# Altium PCB Graviton-EC2.PcbDoc (part 5 of 12) (continued)
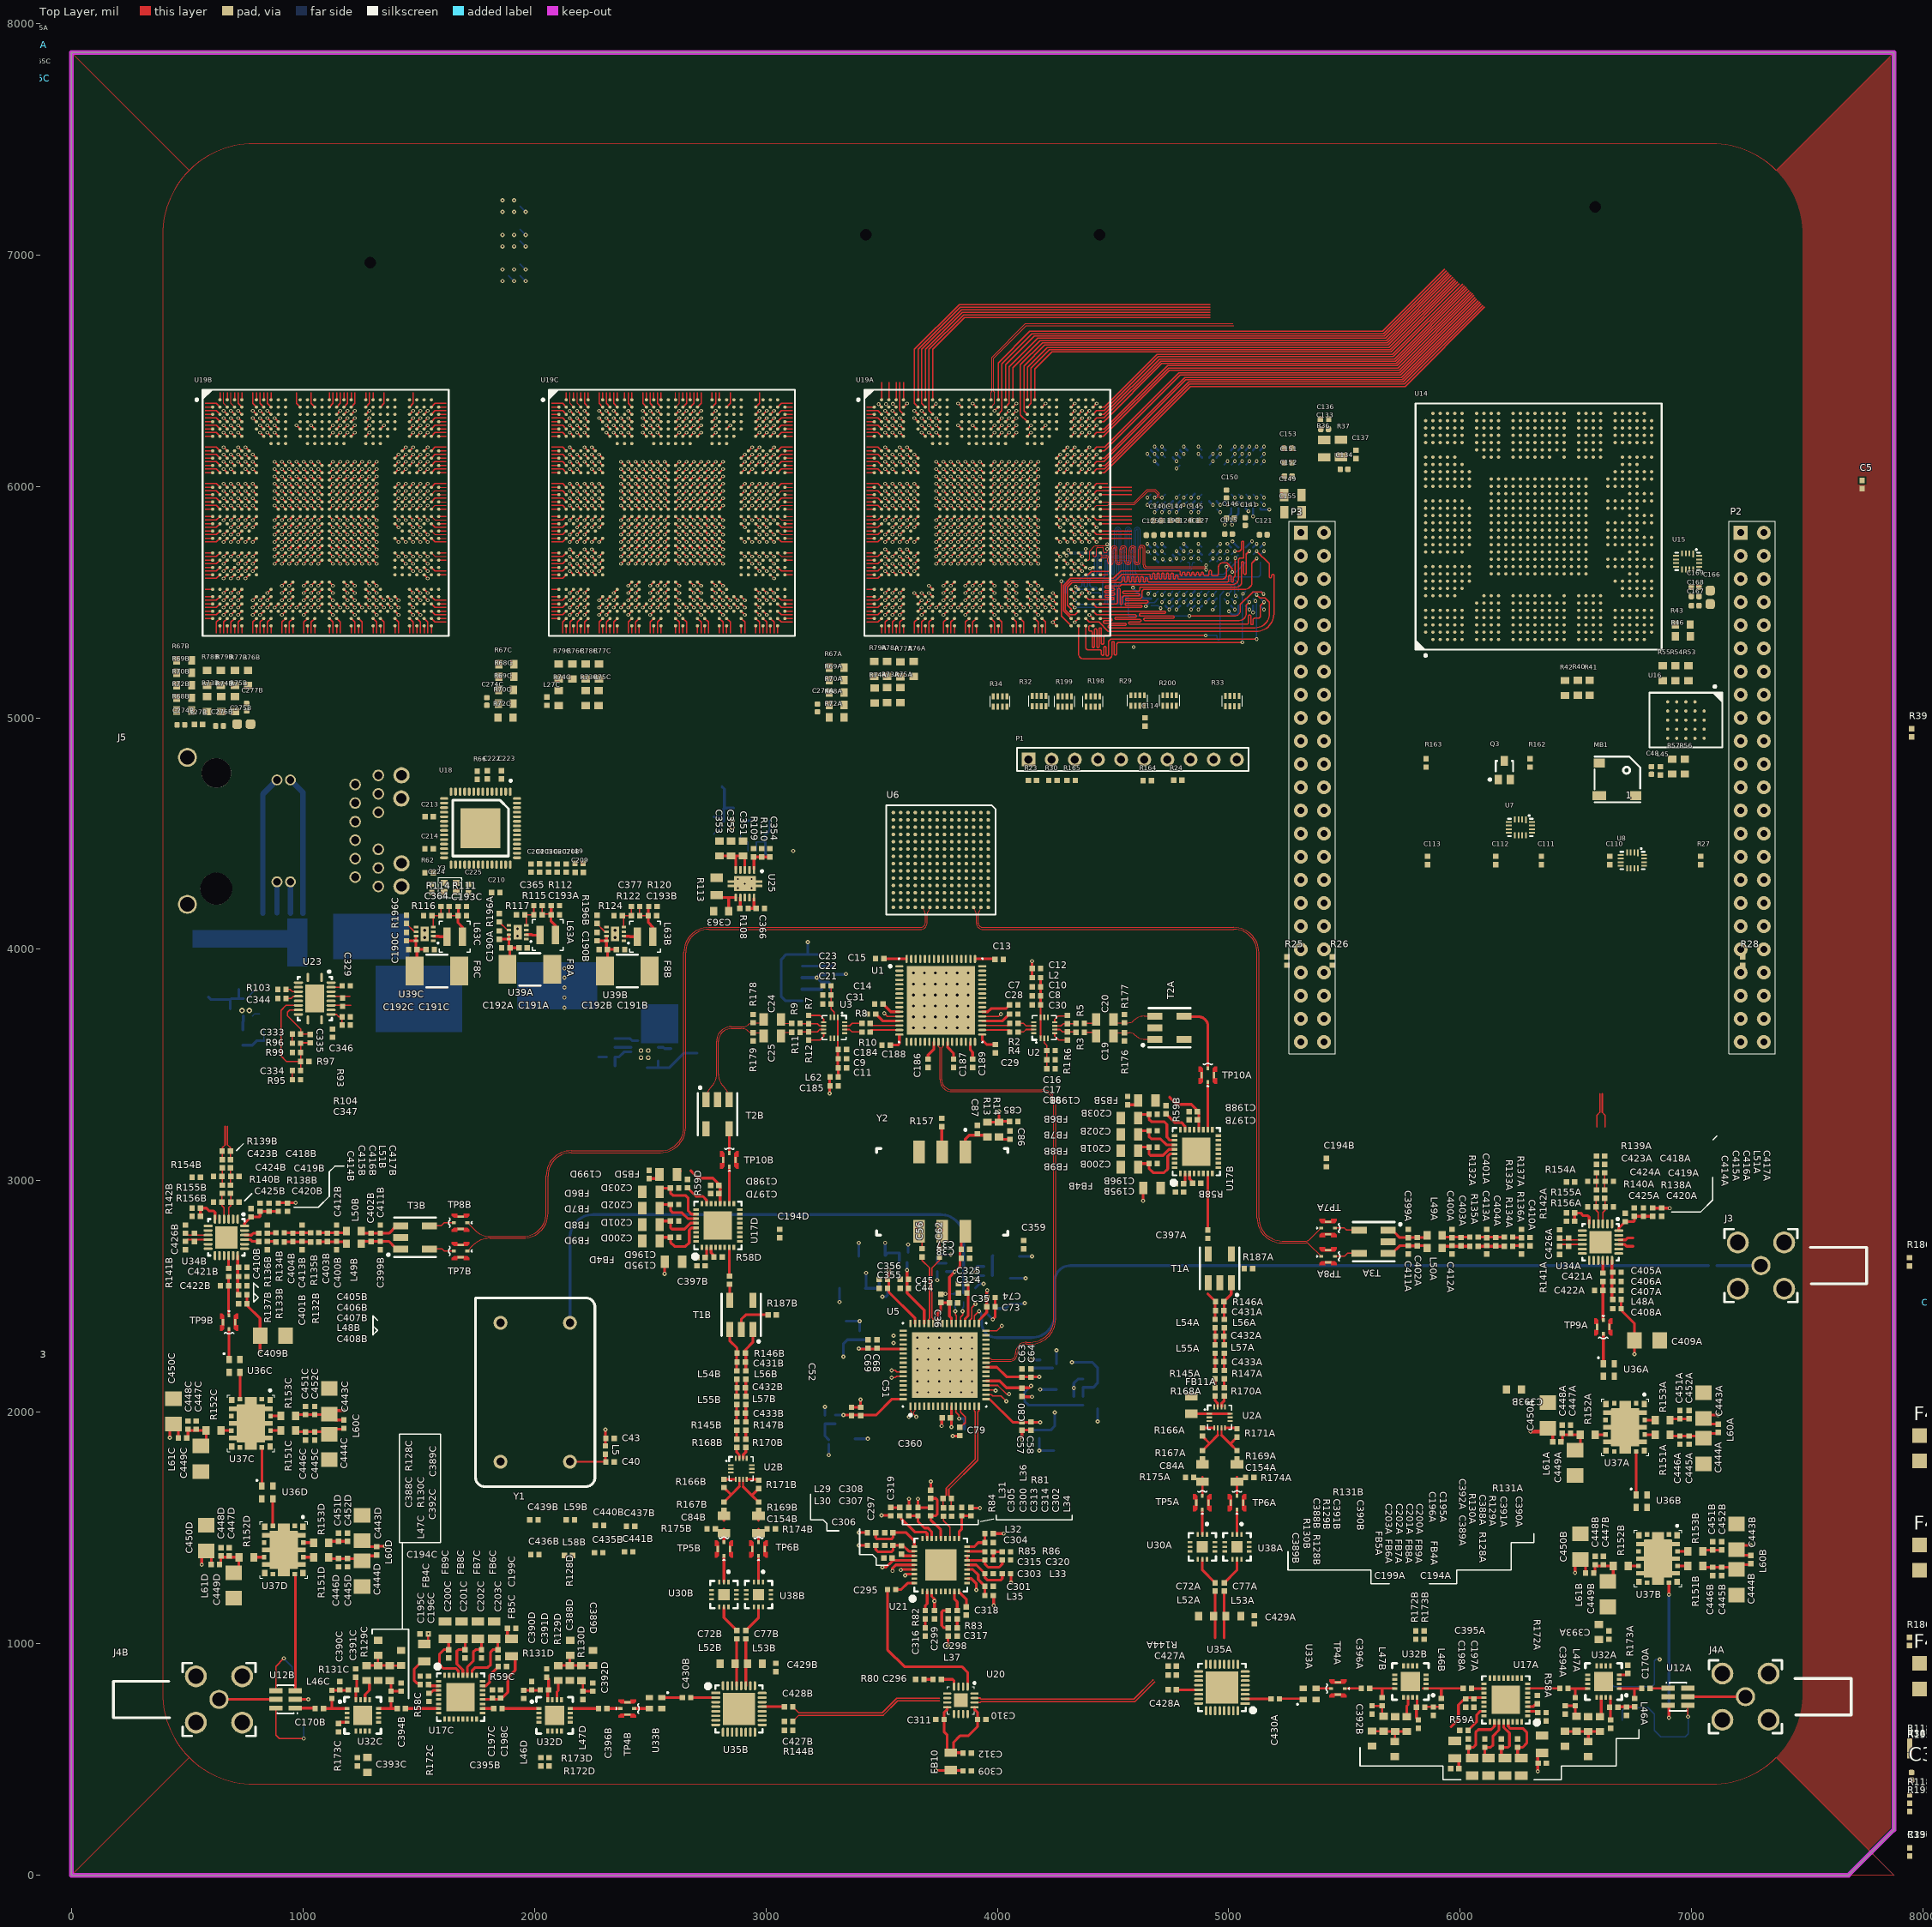
[diagram p0: Top Layer view]
## Nets (pads, with @x,y where several pads share a name; then routed paths per layer and width w, separated by ;. In a path a pad name is that pad's centre, name@x,y a point inside that pad or via, vN(x,y) a via of type N, cw(c..) or ccw(c..) an arc to the next point about the centre after c; other vN are vias at no path point) (continued)
  Top Layer w5: U19A.V26@4255.91,5838.58 v1(4271.65,5822.83)
  other v2: 4963,5751.75 4963,6171.75
BANK3-DDRCTRL.RASN: R29.4 U9.J3 U10.J3 U19A.Y30 | length 22.3
  Top Layer w5: U19A.Y30@4381.89,5775.59 v1(4397.64,5759.84)
  other v2: 4931.5,5688.75 4931.5,6108.75
BANK3-DDRCTRL.RSTN: R31.2 U9.T2 U10.T2 U19A.T29 | length 22.3
  Top Layer w5: U19A.T29@4350.39,5901.57 v1(4366.14,5917.32)
  other v2: 5152,5720.25 5152,6140.25
BANK3-DDRCTRL.WEN: R32.2 U9.L3 U10.L3 U19A.AE31
  other v2: 4994.5,5688.75 4994.5,6108.75
BANK3-DQS32.DQM0: U10.E7 U19A.T32 | length 135.1
  Top Layer w4.72: U19A.T32@4444.88,5901.57 4580,5901.57
  other v2: 4774,5951.25
BANK3-DQS32.DQM1: U10.D3 U19A.U32 | length 135.1
  Top Layer w4.72: U19A.U32@4444.88,5870.08 4580,5870.08
BANK3-DQS32.DQM2: U9.E7 U19A.V32 | length 135.1
  Top Layer w4.72: U19A.V32@4444.88,5838.58 4580,5838.58
  other v2: 4774,5531.25
BANK3-DQS32.DQM3: U9.D3 U19A.W32 | length 152.1
  Top Layer w4.72: U19A.W32@4444.88,5807.09 4580,5807.09
  Bottom Layer w4.75: v2(4746.25,5685) U9.D3@4758.25,5673
BANK3-DQS32.DQS0_N: U10.G3 U19A.T28 | length 22.3
  Top Layer w2.99: U19A.T28@4318.9,5901.57 v1(4334.65,5917.32)
BANK3-DQS32.DQS0_P: U10.F3 U19A.R29 | length 22.3
  Top Layer w2.99: U19A.R29@4350.39,5933.07 v1(4366.14,5948.82)
BANK3-DQS32.DQS1_N: U10.B7 U19A.T31 | length 340.8
  Top Layer w2.99: U19A.T31@4413.39,5901.57 4429.13,5917.32 4476.97,5917.32 4480.85,5921.2 4592.5,5921.2 4650.65,5979.35 4678.35,5979.35 4691.25,5966.44 4691.25,5954 4688.5,5951.25 4679.5,5951.25
BANK3-DQS32.DQS1_P: U10.C7 U19A.R32 | length 316
  Top Layer w2.99: U19A.R32@4444.88,5933.07 4476.97,5933.07 4480.85,5929.19 4589.19,5929.19 4645,5985 4647.34,5987.34 4681.66,5987.34 4699.25,5969.75 4699.25,5954 4702,5951.25 4711,5951.25
BANK3-DQS32.DQS2_N: U9.G3 U19A.AB27 | length 1243.8
  Top Layer w2.99: U19A.AB27@4287.4,5712.6 v1(4299,5701)
  Bottom Layer w2.99: v1(4299,5701) cw(c4307.01,5701) 4307.01,5709.01 4493,5709.01 ccw(c4493,5731.01) 4515,5731.01 4515,5810 cw(c4520,5810) 4520,5815 cw(c4520,5807.99) 4527.01,5807.99 4527.01,5730 ccw(c4545,5730) 4545,5712.01 ccw(c4545,5727.01) 4560,5727.01 4560,5810 ; 4560,5810.99 4560,5810 ; U9.G3@4852.75,5673 cw(c4849.14,5676.61) 4849.14,5671.5 ccw(c4849.14,5663.36) 4841,5663.36 4841,5649 cw(c4826,5649) 4826,5634.01 4630,5634.01 cw(c4630,5655) 4609.01,5655 4609.01,5810.99 ccw(c4605,5810.99) 4605,5815 ccw(c4605,5810) 4600,5810 4600,5727.01 cw(c4585,5727.01) 4585,5712.01 cw(c4585,5725) 4572.01,5725 4572.01,5807.99 ccw(c4565,5807.99) 4565,5815 ccw(c4565,5810) 4560,5810
BANK3-DQS32.DQS2_P: U9.F3 U19A.AB28 | length 1224.9
  Top Layer w2.99: v1(4306.5,5725) U19A.AB28@4318.9,5712.6
  Bottom Layer w2.99: v1(4306.5,5725) ccw(c4314.5,5725) 4314.5,5717 4493,5717 ccw(c4493,5731.01) 4507.01,5731.01 4507.01,5810 cw(c4520,5810) 4520,5822.99 cw(c4520,5807.99) 4535,5807.99 4535,5730 ccw(c4545,5730) 4545,5720 ccw(c4545,5727.01) 4552.01,5727.01 4552.01,5810 ; 4552.01,5810.99 4552.01,5810 ; U9.F3@4821.25,5673 ccw(c4824.86,5676.61) 4824.86,5671.5 cw(c4824.86,5663.36) 4833,5663.36 4833,5649 cw(c4826,5649) 4826,5642 4630,5642 cw(c4630,5655) 4617,5655 4617,5810.99 ccw(c4605,5810.99) 4605,5822.99 ccw(c4605,5810) 4592.01,5810 4592.01,5727.01 cw(c4585,5727.01) 4585,5720 cw(c4585,5725) 4580,5725 4580,5807.99 ccw(c4565,5807.99) 4565,5822.99 ccw(c4565,5810) 4552.01,5810
BANK3-DQS32.DQS3_N: U9.B7 U19A.AB31 | length 1205
  Top Layer w2.99: U19A.AB31@4413.39,5712.6 4413.39,5702.61 ccw(c4418,5702.61) 4418,5698 4423,5698 ccw(c4423,5704) 4429,5704 4429,5731 cw(c4434,5731) 4434,5736 4454,5736 cw(c4454,5731) 4459,5731 4459,5719 ccw(c4464,5719) 4464,5714 4469,5714 ccw(c4469,5720) 4475,5720 v2(4475,5730)
  Signal Layer 1 w2.99: v2(4475,5730) cw(c4481.86,5730) 4481.86,5736.86 4534.57,5736.86 ccw(c4534.57,5755) 4552.72,5755 4552.72,5781 cw(c4557.72,5781) 4557.72,5786 cw(c4557.72,5781) 4562.72,5781 4562.72,5642 ccw(c4572.86,5642) 4572.86,5631.86 ccw(c4572.86,5641.86) 4582.86,5641.86 4582.86,5780 cw(c4587.86,5780) 4587.86,5785 cw(c4587.86,5780) 4592.86,5780 4592.86,5641 ccw(c4603,5641) 4603,5630.86 ccw(c4603,5640.86) 4613,5640.86 4613,5779 cw(c4618,5779) 4618,5784 cw(c4618,5779) 4623,5779 4623,5628.18 4692.18,5559 4692.18,5543.93 cw(c4679.5,5543.93) 4679.5,5531.25
BANK3-DQS32.DQS3_P: U9.C7 U19A.AC30 | length 1218.7
  Top Layer w2.99: U19A.AC30@4381.89,5681.1 4394.1,5681.1 4399,5686 4399,5720.3 4420.35,5741.65 4422.69,5743.99 4468.99,5743.99 ccw(c4468.99,5750) v2(4475,5750)
  Signal Layer 1 w2.99: v2(4475,5750) ccw(c4482,5750) 4482,5743 4534.57,5743 ccw(c4534.57,5755) 4546.57,5755 4546.57,5781 cw(c4557.72,5781) 4557.72,5792.14 cw(c4557.72,5781) 4568.86,5781 4568.86,5642 ccw(c4572.86,5642) 4572.86,5638 ccw(c4572.86,5641.86) 4576.72,5641.86 4576.72,5780 cw(c4587.86,5780) 4587.86,5791.14 cw(c4587.86,5780) 4599,5780 4599,5641 ccw(c4603,5641) 4603,5637 ccw(c4603,5640.86) 4606.86,5640.86 4606.86,5779 cw(c4618,5779) 4618,5790.14 cw(c4618,5779) 4629.14,5779 4629.14,5630.72 4698.32,5561.54 4698.32,5543.93 ccw(c4711,5543.93) 4711,5531.25
BBBGPIO0-30: P3.11
BBBGPIO0-31: P3.13
BBBGPIO1-16: P3.15
BBBGPIO2-11: P2.42
BBBGPIO2-13: P2.40
BBBGPIO2-15: P2.38
BBBGPIO3-14: P3.31
BBBGPIO3-15: P3.29
BBBGPIO3-18: P3.42
BUZZER: R163.2 U19A.AB6 | length 22.3
  Top Layer w5: v1(3610.24,5728.35) U19A.AB6@3625.98,5712.6
BUZZER-MCU: P2.36 R162.2
CFG_CS1N: R45.1 U14.AH3
CFG_CSN: R44.1 U14.AG3
CFG_SPI_DQ0: R54.1 U14.AK2 U16.D3
CFG_SPI_DQ1: R55.1 U14.AJ2 U16.D2
CFG_SPI_DQ2: R56.1 U14.AM2 U16.C4
CFG_SPI_DQ3: R57.1 U14.AL1 U16.D4
CFG_SPI_SN: U14.AJ3 U16.C2
CFG_WRITEN: R46.1 U14.AL3
CLIENT-CLK_N: J1.218 U5.54
CLIENT-CLK_P: J1.219 U5.55
CLK-CTRL.C\S\: U5.18 | length 99.8
  Top Layer w5.98: U5.18@3951.77,2076.77 3974.41,2076.77 3980.32,2070.87 4015.75,2070.87 v3(4039.37,2047.24)
CLK-CTRL.CSN: P3.20
CLK-CTRL.LD1: P3.16 U5.31
CLK-CTRL.LD2: P3.18 U5.48
CLK-CTRL.RESET: P3.26 U5.5
CLK-CTRL.SCK: P3.22 U5.19 | length 41.2
  Top Layer w5.98: U5.19@3951.77,2096.46 3990.16,2096.46 v3(3992.13,2094.49)
CLK-CTRL.SDIO: P3.24 U5.20 | length 114.9
  Top Layer w5.98: U5.20@3951.77,2116.14 4001.97,2116.14 4039.37,2078.74 v3(4051.18,2078.74)
CLK-CTRL.SEL0: P3.12 U5.58 | length 52.6
  Top Layer w4.72: v3(3543.31,2181.1) 3559.06,2181.1 3564.96,2175.2 U5.58@3593.5,2175.2
CLK-CTRL.SEL1: P3.14 U5.59 | length 52.6
  Top Layer w4.72: v3(3543.31,2149.61) 3559.06,2149.61 3564.96,2155.51 U5.59@3593.5,2155.51
CLKIN: C34.1 U5.34 | length 3530.9
  Top Layer w4.72: U5.34@3900.59,2383.86 3900.59,2416.34 v3(3921.26,2437.01)
  Bottom Layer w11.81: v3(3921.26,2437.01) cw(c3892.75,2408.49) 3933.07,2408.49 3933.07,2385.83 ccw(c3996.06,2385.83) 3996.06,2322.83 4148.03,2322.83 ccw(c4148.03,2422.83) 4248.03,2422.83 4248.03,2566.93 cw(c4314.96,2566.93) 4314.96,2633.86 C34.1@7072.64,2633.86
CLKOUT3_N: U13.6
CLKOUT3_P: U13.7
CLOCK-SYNC: P3.41 U5.6
CPOUT1: C85.1 R13.1 R14.2 U5.32 | length 213.8
  Top Layer w5.98: U5.32@3951.77,2352.36 3998.03,2352.36 v3(4019.69,2374.02)
  Top Layer w11.81: R13.1@3956.69,3253.54 R14.2@4007.87,3253.54 ; v3(4007.87,3299.21) 4007.87,3259.84 4011.02,3256.69 C85.1@4052.95,3256.69
CSNA: U19A.AG3 | length 22.3
  Top Layer w5: v1(3515.75,5539.37) U19A.AG3@3531.5,5555.12
CSNB: U19B.AG3 | length 22.3
  Top Layer w5: v1(657.48,5539.37) U19B.AG3@673.23,5555.12
CSNC: U19C.AG3 | length 22.3
  Top Layer w5: v1(2153.54,5539.37) U19C.AG3@2169.29,5555.12
DAC-CTRL.RESETN: P2.4 U6.N10
DAC-CTRL.SCLK: P2.20 U6.P9
DAC-CTRL.SDENN: P2.6 U6.P10
DAC-CTRL.SDIO: P2.16 U6.P11
DAC-CTRL.SDO: P2.14 U6.P12
DAC-CTRL.SLEEP: P2.12 U6.B8
DAC-CTRL.TXENABLE: P2.10 U6.N9
DAC-LVDS.DAC-D0_N: U6.P4 U19C.P29 | length 22.3
  Top Layer w2.99: U19C.P29@2988.19,5964.57 v1(3003.94,5980.32)
DAC-LVDS.DAC-D0_P: U6.N4 U19C.P28 | length 22.3
  Top Layer w2.99: U19C.P28@2956.69,5964.57 v1(2972.44,5980.32)
DAC-LVDS.DAC-D1_N: U6.P3 U19C.T26 | length 22.3
  Top Layer w2.99: U19C.T26@2893.7,5901.57 v1(2909.45,5917.32)
DAC-LVDS.DAC-D1_P: U6.N3 U19C.R26 | length 22.3
  Top Layer w2.99: U19C.R26@2893.7,5933.07 v1(2909.45,5948.82)
DAC-LVDS.DAC-D2_N: U6.P2 U19C.T27 | length 22.3
  Top Layer w2.99: U19C.T27@2925.2,5901.57 v1(2940.94,5917.32)
DAC-LVDS.DAC-D2_P: U6.N2 U19C.R27 | length 22.3
  Top Layer w2.99: U19C.R27@2925.2,5933.07 v1(2940.94,5948.82)
DAC-LVDS.DAC-D3_N: U6.P1 U19C.U26 | length 22.3
  Top Layer w2.99: U19C.U26@2893.7,5870.08 v1(2909.45,5854.33)
DAC-LVDS.DAC-D3_P: U6.N1 U19C.U27 | length 22.3
  Top Layer w2.99: U19C.U27@2925.2,5870.08 v1(2940.94,5854.33)
DAC-LVDS.DAC-D4_N: U6.M1 U19C.T28 | length 22.3
  Top Layer w2.99: U19C.T28@2956.69,5901.57 v1(2972.44,5917.32)
DAC-LVDS.DAC-D4_P: U6.M2 U19C.R29 | length 22.3
  Top Layer w2.99: U19C.R29@2988.19,5933.07 v1(3003.94,5948.82)
DAC-LVDS.DAC-D5_N: U6.L1 U19C.P30 | length 22.3
  Top Layer w2.99: U19C.P30@3019.69,5964.57 v1(3035.43,5980.32)
DAC-LVDS.DAC-D5_P: U6.L2 U19C.P31 | length 70.1
  Top Layer w2.99: U19C.P31@3051.18,5964.57 3066.93,5980.32 3114.76,5980.32
DAC-LVDS.DAC-D6_N: U6.K1 U19C.T30 | length 22.3
  Top Layer w2.99: U19C.T30@3019.69,5901.57 v1(3035.43,5917.32)
DAC-LVDS.DAC-D6_P: U6.K2 U19C.R30 | length 22.3
  Top Layer w2.99: U19C.R30@3019.69,5933.07 v1(3035.43,5948.82)
DAC-LVDS.DAC-D7_N: U6.J1 U19C.P32 | length 32.1
  Top Layer w2.99: U19C.P32@3082.68,5964.57 3114.76,5964.57
DAC-LVDS.DAC-D7_P: U6.J2 U19C.N32 | length 32.1
  Top Layer w2.99: U19C.N32@3082.68,5996.06 3114.76,5996.06
DAC-LVDS.DAC-D8_N: U6.F1 U19C.U30 | length 22.3
  Top Layer w2.99: U19C.U30@3019.69,5870.08 v1(3035.43,5854.33)
DAC-LVDS.DAC-D8_P: U6.F2 U19C.U31 | length 70.1
  Top Layer w2.99: U19C.U31@3051.18,5870.08 3066.93,5854.33 3114.76,5854.33
DAC-LVDS.DAC-D9_N: U6.E1 U19C.T31 | length 70.1
  Top Layer w2.99: U19C.T31@3051.18,5901.57 3066.93,5917.32 3114.76,5917.32
DAC-LVDS.DAC-D9_P: U6.E2 U19C.R32 | length 32.1
  Top Layer w2.99: U19C.R32@3082.68,5933.07 3114.76,5933.07
DAC-LVDS.DAC-D10_N: U6.D1 U19C.Y27 | length 22.3
  Top Layer w2.99: U19C.Y27@2925.2,5775.59 v1(2940.94,5759.84)
DAC-LVDS.DAC-D10_P: U6.D2 U19C.Y26 | length 22.3
  Top Layer w2.99: U19C.Y26@2893.7,5775.59 v1(2909.45,5759.84)
DAC-LVDS.DAC-D11_N: U6.C1 U19C.W28 | length 22.3
  Top Layer w2.99: U19C.W28@2956.69,5807.09 v1(2972.44,5791.34)
DAC-LVDS.DAC-D11_P: U6.C2 U19C.Y28 | length 22.3
  Top Layer w2.99: U19C.Y28@2956.69,5775.59 v1(2972.44,5759.84)
DAC-LVDS.DAC-D12_N: U6.B1 U19C.W29 | length 22.3
  Top Layer w2.99: U19C.W29@2988.19,5807.09 v1(3003.94,5791.34)
DAC-LVDS.DAC-D12_P: U6.A1 U19C.Y29 | length 22.3
  Top Layer w2.99: U19C.Y29@2988.19,5775.59 v1(3003.94,5759.84)
DAC-LVDS.DAC-D13_N: U6.B2 U19C.AC27 | length 22.3
  Top Layer w2.99: U19C.AC27@2925.2,5681.1 v1(2940.94,5665.35)
DAC-LVDS.DAC-D13_P: U6.A2 U19C.AB26 | length 22.3
  Top Layer w2.99: U19C.AB26@2893.7,5712.6 v1(2909.45,5696.85)
DAC-LVDS.DAC-D14_N: U6.B3 U19C.AB27 | length 22.3
  Top Layer w2.99: U19C.AB27@2925.2,5712.6 v1(2940.94,5696.85)
DAC-LVDS.DAC-D14_P: U6.A3 U19C.AB28 | length 22.3
  Top Layer w2.99: U19C.AB28@2956.69,5712.6 v1(2972.44,5696.85)
DAC-LVDS.DAC-D15_N: U19C.AB29 | length 22.3
  Top Layer w2.99: U19C.AB29@2988.19,5712.6 v1(3003.94,5696.85)
DAC-LVDS.DAC-D15_P: U6.A4 U19C.AB30 | length 22.3
  Top Layer w2.99: U19C.AB30@3019.68,5712.6 v1(3035.43,5696.85)
DAC-LVDS.DAC-DCLK_N: U6.G1 U19C.AD29 | length 22.3
  Top Layer w2.99: U19C.AD29@2988.19,5649.61 v1(3003.94,5633.86)
DAC-LVDS.DAC-DCLK_P: U6.G2 U19C.AC28 | length 22.3
  Top Layer w2.99: U19C.AC28@2956.69,5681.1 v1(2972.44,5665.35)
DAC-LVDS.DAC-FRAME_N: U6.H1 U19C.U32 | length 32.1
  Top Layer w2.99: U19C.U32@3082.68,5870.08 3114.76,5870.08
DAC-LVDS.DAC-FRAME_P: U6.H2 U19C.T32 | length 32.1
  Top Layer w2.99: U19C.T32@3082.68,5901.57 3114.76,5901.57
DAC-LVDS.DAC-OSTR_N: U6.B9 U19C.AB31 | length 70.1
  Top Layer w2.99: U19C.AB31@3051.18,5712.6 3066.93,5696.85 3114.76,5696.85
DAC-LVDS.DAC-OSTR_P: U6.A9 U19C.AC30 | length 22.3
  Top Layer w2.99: U19C.AC30@3019.69,5681.1 v1(3035.43,5665.35)
DAC-LVDS.DAC-PARITY_N: U6.P5 U19C.AE30 | length 22.3
  Top Layer w2.99: U19C.AE30@3019.69,5618.11 v1(3035.43,5602.36)
DAC-LVDS.DAC-PARITY_P: U6.N5 U19C.AD30 | length 22.3
  Top Layer w2.99: U19C.AD30@3019.69,5649.61 v1(3035.43,5633.86)
DAC-LVDS.DAC-SYNC_N: U6.B5 U19C.Y32 | length 32.1
  Top Layer w2.99: U19C.Y32@3082.68,5775.59 3114.76,5775.59
DAC-LVDS.DAC-SYNC_P: U6.A5 U19C.W31 | length 70.1
  Top Layer w2.99: U19C.W31@3051.18,5807.09 3066.93,5791.34 3114.76,5791.34
DACCLK_N: U5.28 U6.A11
DACCLK_P: U5.27 U6.A12
DDR-A0: R33.1 U9.N3 U10.N3 U19A.AM28 | length 1235.3
  Top Layer w4.72: v1(4276.55,5590) 4276.55,5439.98 U19A.AM28@4318.9,5397.64
  Bottom Layer w4.72: v1(4276.55,5590) 4285,5590 cw(c4285,5585) 4290,5585 4290,5544 ccw(c4295,5544) 4295,5539 ccw(c4295,5544) 4300,5544 4300,5577 cw(c4313,5577) 4313,5590 4350,5590 4383.72,5623.72 4413.39,5623.72 ccw(c4413.39,5630.34) 4420,5630.34 4420,5685 cw(c4435.12,5685) 4435.12,5700.12 4502.13,5700.12
  Bottom Layer w4.75: 4502.13,5700.12 4580,5700.12 cw(c4580,5685.12) 4595,5685.12 4595,5635 ccw(c4610,5635) 4610,5620 4979,5620 5032,5673 U9.N3@5041.75,5673
  other v2: 5057.5,6108.75
DDR-A1: R33.2 U9.P7 U10.P7 U19A.AM29 | length 1726.4
  Top Layer w4.72: U19A.AM29@4350.39,5397.64 4350.39,5278 ccw(c4373.39,5278) 4373.39,5255 4478,5255 ccw(c4478,5272) 4495,5272 4495,5324.81 cw(c4500,5324.81) 4500,5329.81 cw(c4500,5324.81) 4505,5324.81 4505,5276 ccw(c4510,5276) 4510,5271 ccw(c4510,5276) 4515,5276 4515,5315 cw(c4525,5315) 4525,5325 5058,5325 v2(5059,5326)
  Signal Layer 1 w4.75: v2(5061.54,5535.54) 5061.54,5608.54 cw(c5068,5608.54) 5068,5615 5082,5615 ccw(c5082,5620) 5087,5620 ccw(c5082,5620) 5082,5625 5067.92,5625 cw(c5067.92,5631.38) 5061.54,5631.38 5061.54,5904.87 5073,5916.33 5073,5936 v2(5089,5952)
  Bottom Layer w4.75: v2(5059,5326) 5058.88,5326.12 5058.88,5532.62 U9.P7@5073.25,5547 ; U10.P7@5073.25,5967 v2@5088.25,5952
DDR-A2: R33.3 U9.P3 U10.P3 U19A.AL28 | length 1235.9
  Top Layer w4.72: U19A.AL28@4318.9,5429.13 4285.28,5462.76 4285.28,5572.23 4315.5,5602.45 4501.45,5602.45 4534,5635 4785,5635 cw(c4785,5630) 4790,5630 4790,5620.06 ccw(c4795.06,5620.06) 4795.06,5615 ccw(c4795.06,5620) 4800.06,5620 4800.06,5625 ; 4815,5615 ccw(c4815,5620) 4815.06,5615 ; v2(5015,5630) 5015,5646.65 4991.65,5670 4976,5670 ccw(c4976,5649) 4955,5649 4955,5620 cw(c4950,5620) 4950,5615 4930,5615 cw(c4930,5620) 4925,5620 4925,5632.5 ccw(c4920,5632.5) 4920,5637.5 ccw(c4920,5632.5) 4915,5632.5 4915,5620 cw(c4910,5620) 4910,5615 4895.06,5615 cw(c4895.06,5620.06) 4890,5620.06 4890,5624 ccw(c4885,5624) 4885,5629 ccw(c4885,5624) 4880,5624 4880,5620 cw(c4875,5620) 4875.03,5615 cw(c4875.06,5620.06) 4870,5620.06 4870,5624 ccw(c4865,5624) 4865,5629 ccw(c4865,5624) 4860,5624 4860,5620 cw(c4855,5620) 4855.03,5615 cw(c4855.06,5620.06) 4850,5620.06 4850,5624 ccw(c4845,5624) 4845,5629 ccw(c4845,5624) 4840,5624 4840,5620 cw(c4835,5620) 4835.03,5615 cw(c4835.06,5620.06) 4830,5620.06 4830,5625 ccw(c4825,5625) 4825,5630 ccw(c4825,5625) 4820,5625 4820,5620 cw(c4815,5620) 4815.06,5615 ; 4800.06,5625 cw(c4805.06,5625) 4805.06,5630 ; 4800.06,5625 cw(c4805.06,5625) 4805.06,5630 ; 4805.06,5630 cw(c4805.06,5625) 4810.06,5625 ; 4805.06,5630 cw(c4805.06,5625) 4810.06,5625 ; 4810.06,5620.06 ccw(c4815.12,5620.06) 4815.06,5615 ; 4810.06,5620.06 ccw(c4815.12,5620.06) 4815.06,5615 ; 4810.06,5620.06 4810.06,5625 ; 4815.06,5615 ccw(c4815.12,5620.06) 4815.12,5615 cw(c4815.12,5620.06) 4815.06,5615
  Bottom Layer w4.75: v2(5015,5630) 5030.25,5630 U9.P3@5073.25,5673
  other v2: 5089,6108.75
DDR-A3: R33.4 U9.N2 U10.N2 U19A.AK28 | length 1236.1
  Top Layer w4.72: U19A.AK28@4318.9,5460.63 4318.9,5470.1 4302.72,5486.28 4302.72,5565 4322.72,5585 4530.94,5585 ccw(c4530.94,5594) 4539.94,5594 4539.94,5604 cw(c4544.94,5604) 4544.94,5609 cw(c4544.94,5604) 4549.94,5604 4549.94,5591.06 ccw(c4555,5591.06) 4555,5586 ccw(c4555,5590.94) 4559.94,5590.94 4559.94,5605 cw(c4564.94,5605) 4564.94,5610 cw(c4564.94,5605) 4569.94,5605 4569.94,5591.06 ccw(c4575,5591.06) 4575,5586 ccw(c4575,5591) 4580,5591 4580,5604 cw(c4585,5604) 4585,5609 cw(c4585,5604) 4590,5604 4590,5592.06 ; 4594.94,5587 ccw(c4594.94,5592) 4595,5587 ; v2(5027.78,5690) 5027.78,5612.78 5020,5605 5020,5591.16 cw(c5015,5591.16) 5015,5586.16 cw(c5015,5591.16) 5010,5591.16 5010,5612 ccw(c5005,5612) 5005,5617 ccw(c5005,5612) 5000,5612 5000,5594 cw(c4993,5594) 4993,5587 4655,5587 cw(c4655,5592.06) 4649.94,5592.06 4649.94,5600 ccw(c4644.94,5600) 4644.94,5605 ccw(c4644.94,5600) 4639.94,5600 4639.94,5592 cw(c4634.94,5592) 4634.96,5587 cw(c4635,5592.06) 4629.94,5592.06 4629.94,5605 ccw(c4624.94,5605) 4624.94,5610 ccw(c4624.94,5605) 4619.94,5605 4619.94,5592 cw(c4614.94,5592) 4614.96,5587 cw(c4615,5592.06) 4609.94,5592.06 4609.94,5605 ccw(c4604.94,5605) 4604.94,5610 ccw(c4604.94,5605) 4599.94,5605 4599.94,5592 cw(c4594.94,5592) 4595,5587 ; 4590,5592.06 ccw(c4595.06,5592.06) 4595,5587 ; 4590,5592.06 ccw(c4595.06,5592.06) 4595,5587 ; 4595,5587 ccw(c4595.06,5592.06) 4595.06,5587 cw(c4595.06,5592.06) 4595,5587
  Bottom Layer w4.75: v2(5027.78,5690) 5027.78,5690.53 U9.N2@5041.75,5704.5
  other v2: 5057.5,6140.25
DDR-A4: R34.1 U9.P8 U10.P8 U19A.AK32 | length 1736.2
  Top Layer w4.72: U19A.AK32@4444.88,5460.63 4721.87,5460.63 cw(c4721.87,5455.63) 4726.87,5455.63 cw(c4721.87,5455.63) 4721.87,5450.63 4618.87,5450.63 ccw(c4618.87,5445.63) 4613.87,5445.63 ccw(c4618.87,5445.63) 4618.87,5440.63 4758.87,5440.63 cw(c4758.87,5435.63) 4763.87,5435.63 cw(c4758.87,5435.63) 4758.87,5430.63 4637.87,5430.63 ccw(c4637.87,5425.63) 4632.87,5425.63 ccw(c4637.87,5425.63) 4637.87,5420.63 5045.63,5420.63 ccw(c5045.63,5450.62) 5075.62,5450.62
  Top Layer w4.75: 5075.62,5450.62 5075.62,5486.38 v2(5089,5499.75)
  Signal Layer 1 w4.75: v2(5089,5499.75) 5089,5595.3 5100,5606.3 5100,5625.76 cw(c5108.66,5625.76) 5108.66,5634.42 5132.42,5634.42 ccw(c5132.42,5639) 5137,5639 5137,5639.15 ccw(c5131.86,5639.15) 5131.86,5644.29 5079.5,5644.29 cw(c5079.5,5652.17) 5071.62,5652.17 5071.62,5899.16 5089,5916.53 5089,5919.75
DDR-A5: R34.2 U9.P2 U10.P2 U19A.AJ32 | length 1213.3
  Top Layer w4.72: U19A.AJ32@4444.88,5492.13 4512.13,5492.13 ccw(c4512.13,5500) 4520,5500 4520,5555 cw(c4525,5555) 4525,5560 cw(c4525,5555) 4530,5555 4530,5495 ccw(c4535,5495) 4535,5490 ccw(c4535,5495) 4540,5495 4540,5517 cw(c4550,5517) 4550,5527 4610,5527 ccw(c4610,5532) 4615,5532 ccw(c4610,5532) 4610,5537 4547,5537 cw(c4547,5542) 4542,5542 cw(c4547,5542) 4547,5547 4610,5547 ccw(c4610,5552) 4615,5552 4615,5560 cw(c4620.11,5560) 4620.11,5565.11 5034.11,5565.11 ccw(c5034.11,5586) 5055,5586 5055,5670 cw(c5060,5670) 5060,5675 cw(c5060,5670) 5065,5670 5065,5625 ccw(c5070,5625) 5070,5620 ccw(c5070,5625) 5075,5625 5075,5706.25 v2(5089,5720.25)
  other v2: 5089,6140.25
DDR-A6: R34.3 U9.R8 U10.R8 U19A.AM30 | length 1704.2
  Top Layer w4.72: U19A.AM30@4381.89,5397.64 4381.89,5340.39 4381.89,5305.11 ccw(c4393,5305.11) 4393,5294 4443,5294 cw(c4443,5287) 4450,5287 4450,5275 ccw(c4455,5275) 4455,5270 ccw(c4455,5275) 4460,5275 4460,5303 cw(c4465,5303) 4465,5308 cw(c4465,5303) 4470,5303 4470,5273 ccw(c4475,5273) 4475,5268 ccw(c4475,5273) 4480,5273 4480,5325.05 cw(c4495.29,5325.05) 4495.29,5340.33 v2(5120.5,5340)
  Signal Layer 1 w4.75: v2(5115.25,5505) 5105,5515.25 5105,5560 5170,5625 5170,5780 ccw(c5160,5780) 5160,5790 5100,5790 cw(c5100,5795) 5095,5795 cw(c5100,5795) 5100,5800 5109,5800 ccw(c5109,5811) 5120,5811 v2(5120,5921)
  Bottom Layer w4.75: U10.R8@5105.25,5935 v2@5120.25,5920 ; v2(5120.5,5340) v2@5120.5,5499.75
DDR-A7: R34.4 U9.R2 U10.R2 U19A.AL30 | length 1214.2
  Top Layer w4.72: U19A.AL30@4381.89,5429.13 4397.64,5413.39 4439.61,5413.39 4479.61,5373.39 5118.39,5373.39 ccw(c5118.39,5450) 5195,5450
  Top Layer w4.75: v2(5120.5,5720.25) 5175,5665.75 5175,5610 ccw(c5180,5610) 5180,5605 ccw(c5180,5610) 5185,5610 5185,5614.25 cw(c5190.75,5614.25) 5190.75,5620 cw(c5190.75,5615.75) 5195,5615.75 5195,5450
DDR-A8: R198.1 U9.T8 U10.T8 U19A.AK31 | length 1736.2
  Top Layer w4.72: U19A.AK31@4413.39,5460.63 4429.13,5444.88 4596,5444.88 cw(c4596,5439.88) 4601,5439.88 cw(c4596,5439.88) 4596,5434.88 4513,5434.88 ccw(c4513,5429.88) 4508,5429.88 ccw(c4513,5429.88) 4513,5424.88 4616,5424.88 cw(c4616,5419.88) 4621,5419.88 cw(c4616,5419.88) 4616,5414.88 4573,5414.88 ccw(c4573,5409.88) 4568,5409.88 ccw(c4573,5409.88) 4573,5404.88 5005,5404.88
  Top Layer w4.75: 5005,5404.88 5080,5404.88 ccw(c5080,5409.88) 5085,5409.88 5085,5440 cw(c5090,5440) 5090,5445 cw(c5090,5440) 5095,5440 5095,5407.5 ccw(c5100,5407.5) 5100,5402.5 ccw(c5100,5407.5) 5105,5407.5 5105,5425 cw(c5110,5425) 5110,5430 5127,5430 ccw(c5127,5439) 5136,5439 5136,5483.75 v2(5152,5499.75)
  Signal Layer 1 w4.75: v2(5152,5499.75) 5135,5516.75 5135,5562.42 5189.5,5616.92 5189.5,5845 ccw(c5174.5,5845) 5174.5,5860 5157,5860 cw(c5157,5865) 5152,5865 cw(c5157,5865) 5157,5870 5174.5,5870 ccw(c5174.5,5875) 5179.5,5875 5179.5,5875.25 ccw(c5174.75,5875.25) 5174.75,5880 5163,5880 cw(c5163,5891) 5152,5891 5152,5919.75
DDR-A9: R198.2 U9.R3 U10.R3 U19A.AJ31 | length 1213.5
  Top Layer w4.72: U19A.AJ31@4413.39,5492.13 4429.13,5476.38 4620,5476.38 ccw(c4620,5481.38) 4625,5481.38 ccw(c4620,5481.38) 4620,5486.38 4557,5486.38 cw(c4557,5491.38) 4552,5491.38 cw(c4557,5491.38) 4557,5496.38 4646,5496.38 ccw(c4646,5501.38) 4651,5501.38 ccw(c4646,5501.38) 4646,5506.38 4560,5506.38 cw(c4560,5511.38) 4555,5511.38 cw(c4560,5511.38) 4560,5516.38 4616.38,5516.38 ccw(c4616.38,5525) 4625,5525 4625,5545 cw(c4635,5545) 4635,5555 5069,5555 ccw(c5069,5586) 5100,5586 5100,5668.25 v2(5120.5,5688.75)
  other v2: 5120.5,6108.75
DDR-A10: R198.3 U9.L7 U10.L7 U19A.AM31 | length 1235.9
  Top Layer w4.72: U19A.AM31@4413.39,5397.64 4400,5397.64 ccw(c4400,5392.64) 4395,5392.64 4395,5380 ccw(c4400,5380) 4400,5375 4404.74,5375 cw(c4404.74,5370) 4409.74,5370 4409.74,5308.67 ccw(c4414.74,5308.67) 4414.74,5303.67 ccw(c4414.74,5308.67) 4419.74,5308.67 4419.74,5380 cw(c4424.74,5380) 4424.74,5385 cw(c4424.74,5380) 4429.74,5380 4429.74,5308.67 ccw(c4434.74,5308.67) 4434.74,5303.67 ccw(c4434.74,5308.67) 4439.74,5308.67 4439.74,5384.18 cw(c4444.74,5384.18) 4444.74,5389.18 cw(c4444.74,5384.18) 4449.74,5384.18 4449.74,5322.39 ; 4449.74,5322 4449.74,5322.39 ; v8(4900,5356) 4468,5356 ccw(c4468,5347.74) 4459.74,5347.74 4459.74,5322.39 cw(c4454.74,5322.39) 4454.74,5317.39 cw(c4454.74,5322.39) 4449.74,5322.39
  Bottom Layer w4.72: v8(4900,5356) 4945,5356 cw(c4945,5351) 4950,5351 4950,5342.61 ; 4950,5343 ccw(c4956,5343) 4956,5337 ccw(c4956,5342.61) 4961.61,5342.61 4961.61,5529.86 U9.L7@4978.75,5547
DDR-A11: R198.4 U9.R7 U10.R7 U19A.AL32 | length 1746.6
  Top Layer w4.72: U19A.AL32@4444.88,5429.13 4491,5429.13 cw(c4491,5424.13) 4496,5424.13 cw(c4491,5424.13) 4491,5419.13 4462.95,5419.13 ccw(c4462.95,5414.13) 4457.95,5414.13 ccw(c4462.95,5414.13) 4462.95,5409.13 4551.3,5409.13 cw(c4551.3,5404.13) 4556.3,5404.13 cw(c4551.3,5404.13) 4551.3,5399.13 4483.3,5399.13 ccw(c4483.3,5394.13) 4478.3,5394.13 ccw(c4483.3,5394.13) 4483.3,5389.13 5114.63,5389.13 ccw(c5114.63,5450) 5175.5,5450 5175.5,5500 5157.61,5517.89 5133.86,5517.89 v2(5120.5,5531.25)
  Signal Layer 1 w4.75: v2(5120.5,5531.25) 5120.5,5561.71 5179.75,5620.96 5179.75,5795 ccw(c5164.75,5795) 5164.75,5810 5140.25,5810 cw(c5140.25,5815) 5135.25,5815 cw(c5140.25,5815) 5140.25,5820 5174.75,5820 ccw(c5174.75,5825) 5179.75,5825 5179.75,5825.25 ccw(c5175,5825.25) 5175,5830 5140,5830 cw(c5140,5835) 5135,5835 cw(c5140,5835) 5140,5840 5156,5840 ccw(c5156,5845) 5161,5845 ccw(c5156,5845) 5156,5850 5145,5850 cw(c5145,5859) 5136,5859 5136,5935.75 5120.5,5951.25
DDR-A12: R199.1 U9.N7 U10.N7 U19A.AG28 | length 1254.9
  Top Layer w5: U19A.AG28@4318.9,5555.12 v1(4334.65,5539.37)
  Bottom Layer w4.72: v1(4334.65,5539.37) 4350.28,5555 4425,5555 ccw(c4425,5560) 4430,5560 ccw(c4425,5560) 4425,5565 4409,5565 cw(c4409,5574) 4400,5574 4400,5595 cw(c4410,5595) 4410,5605 4454,5605 ccw(c4454,5616) 4465,5616 4465,5675 cw(c4470,5675) 4470,5680 cw(c4470,5675) 4475,5675 4475,5625 ccw(c4480,5625) 4480,5620 ccw(c4480,5625) 4485,5625 4485,5675 cw(c4490,5675) 4490,5680 cw(c4490,5675) 4495,5675 4495,5625 ccw(c4500,5625) 4500,5620 ccw(c4500,5625) 4502.13,5620.47 ccw(c4500,5625) 4505,5625 4505,5670 cw(c4515,5670) 4515,5680 4569.47,5680 cw(c4569.47,5675) 4574.47,5675 4574.47,5609.53 ccw(c4585,5609.53) 4585,5599 5012.85,5599 cw(c5012.85,5570.1) 5041.75,5570.1 U9.N7@5041.75,5547 ; U10.N7@5041.75,5967 v2(5055,5953.75)
DDR-A13: R199.2 U9.T3 U10.T3 U19A.AG29 | length 1236.2
  Top Layer w5: v1(4339,5566.51) U19A.AG29@4350.39,5555.12
  Bottom Layer w4.72: v1(4339,5566.51) 4359.51,5566.51 ccw(c4359.51,5572) 4365,5572 4365,5585 cw(c4370,5585) 4370,5590 cw(c4370,5585) 4375,5585 4375,5571 ccw(c4380,5571) 4380,5566 4384.47,5566 ccw(c4384.47,5571) 4389.47,5571 4389.47,5606.47 cw(c4398,5606.47) 4398,5615 4425,5615 ccw(c4425,5620) 4430,5620 4430,5685 cw(c4435,5685) 4435,5690 cw(c4435,5685) 4440,5685 4440,5620 ccw(c4445,5620) 4445,5615 ccw(c4445,5620) 4450,5620 4450,5678 cw(c4462,5678) 4462,5690 4575,5690 cw(c4575,5680) 4585,5680 4585,5619 ccw(c4595,5619) 4595,5609 5125.46,5609 ccw(c5125.46,5619.79) 5136.25,5619.79 U9.T3@5136.25,5673
  other v2: 5152,6108.75
DDR-A14: R199.3 U9.T7 U10.T7 U19A.AJ28 | length 1629.5
  Top Layer w4.75: v2(4830,5440) 5025,5440 ccw(c5025,5465) 5050,5465 5050,5490 5104.62,5544.62 5140.38,5544.62 v2(5150,5535)
  Top Layer w5: U19A.AJ28@4318.9,5492.13 v2(4334.65,5476.38)
  Signal Layer 1 w4.75: v2(5150,5535) 5150,5563.63 5199.25,5612.88 5199.25,5920 ccw(c5190,5920) 5190,5929.25 5174.25,5929.25 cw(c5174.25,5934.25) 5169.25,5934.25 cw(c5174.25,5934.25) 5174.25,5939.25 5190,5939.25 ccw(c5190,5944.25) 5195,5944.25 5195,5946.25 ccw(c5190,5946.25) 5190,5951.25 5152,5951.25
  Bottom Layer w4.75: U9.T7@5136.25,5547 5137.5,5547 5150,5534.5 v2(5150,5535)
  Bottom Layer w5: v2(4334.65,5476.38) 4528,5476.38 ccw(c4528,5483.53) 4535.15,5483.53 4535.15,5520 ; 4535.15,5520.15 cw(c4540,5520.15) 4540,5525 cw(c4540,5520) 4545,5520 4545,5495 ccw(c4550,5495) 4550,5490 ccw(c4550,5495) 4555,5495 4555,5520 cw(c4560,5520) 4560,5525 cw(c4560,5520) 4565,5520 4565,5449 ccw(c4574,5449) 4574,5440 v2(4830,5440)
DDR-A15: R199.4 U9.M7 U10.M7 U19A.AH28 | length 1726.4
  Top Layer w5: U19A.AH28@4318.9,5523.62 v1(4334.65,5507.87)
  Signal Layer 1 w4.75: v2@4995.88,5533.12 4990,5539 4990,5585 5041.26,5636.26 5041.26,5936.01 v2(5026.14,5951.14)
  Bottom Layer w4.72: v1(4334.65,5507.87) 4352.52,5490 4455,5490 ccw(c4455,5500) 4465,5500 4465,5530.5 cw(c4470,5530.5) 4470,5535.5 cw(c4470,5530.5) 4475,5530.5 4475,5495 ccw(c4480,5495) 4480,5490 ccw(c4480,5495) 4485,5495 4485,5574 cw(c4490,5574) 4490,5579 cw(c4490,5574) 4495,5574 4495,5495 ccw(c4500,5495) 4500,5490 ccw(c4500,5495) 4502.13,5490.47 ccw(c4500,5495) 4505,5495 4505,5574 cw(c4510,5574) 4510,5579 cw(c4510,5574) 4515,5574 4515,5495 ccw(c4520,5495) 4520,5490 ccw(c4520,5495) 4525,5495 4525,5574 cw(c4530,5574) 4530,5579 4998.88,5579 cw(c4998.88,5567.63) 5010.25,5567.63 U9.M7@5010.25,5547 ; U10.M7@5010.25,5967 v2(5026.14,5951.14)
  Bottom Layer w4.75: v2@4996.25,5533 U9.M7@5010.25,5547
  other v2: 4996,5533